# Altium PCB DSO.PcbDoc (part 1 of 2)
Units mil, origin at the board's own origin, x right, y up, seen from the top; angles counter-clockwise.
Board outline 4334 x 3942 mil, 2 copper layers (Top Layer, Bottom Layer), stack 61.855 mil thick; 129 components, 117 nets, 532 pads, 253 vias.
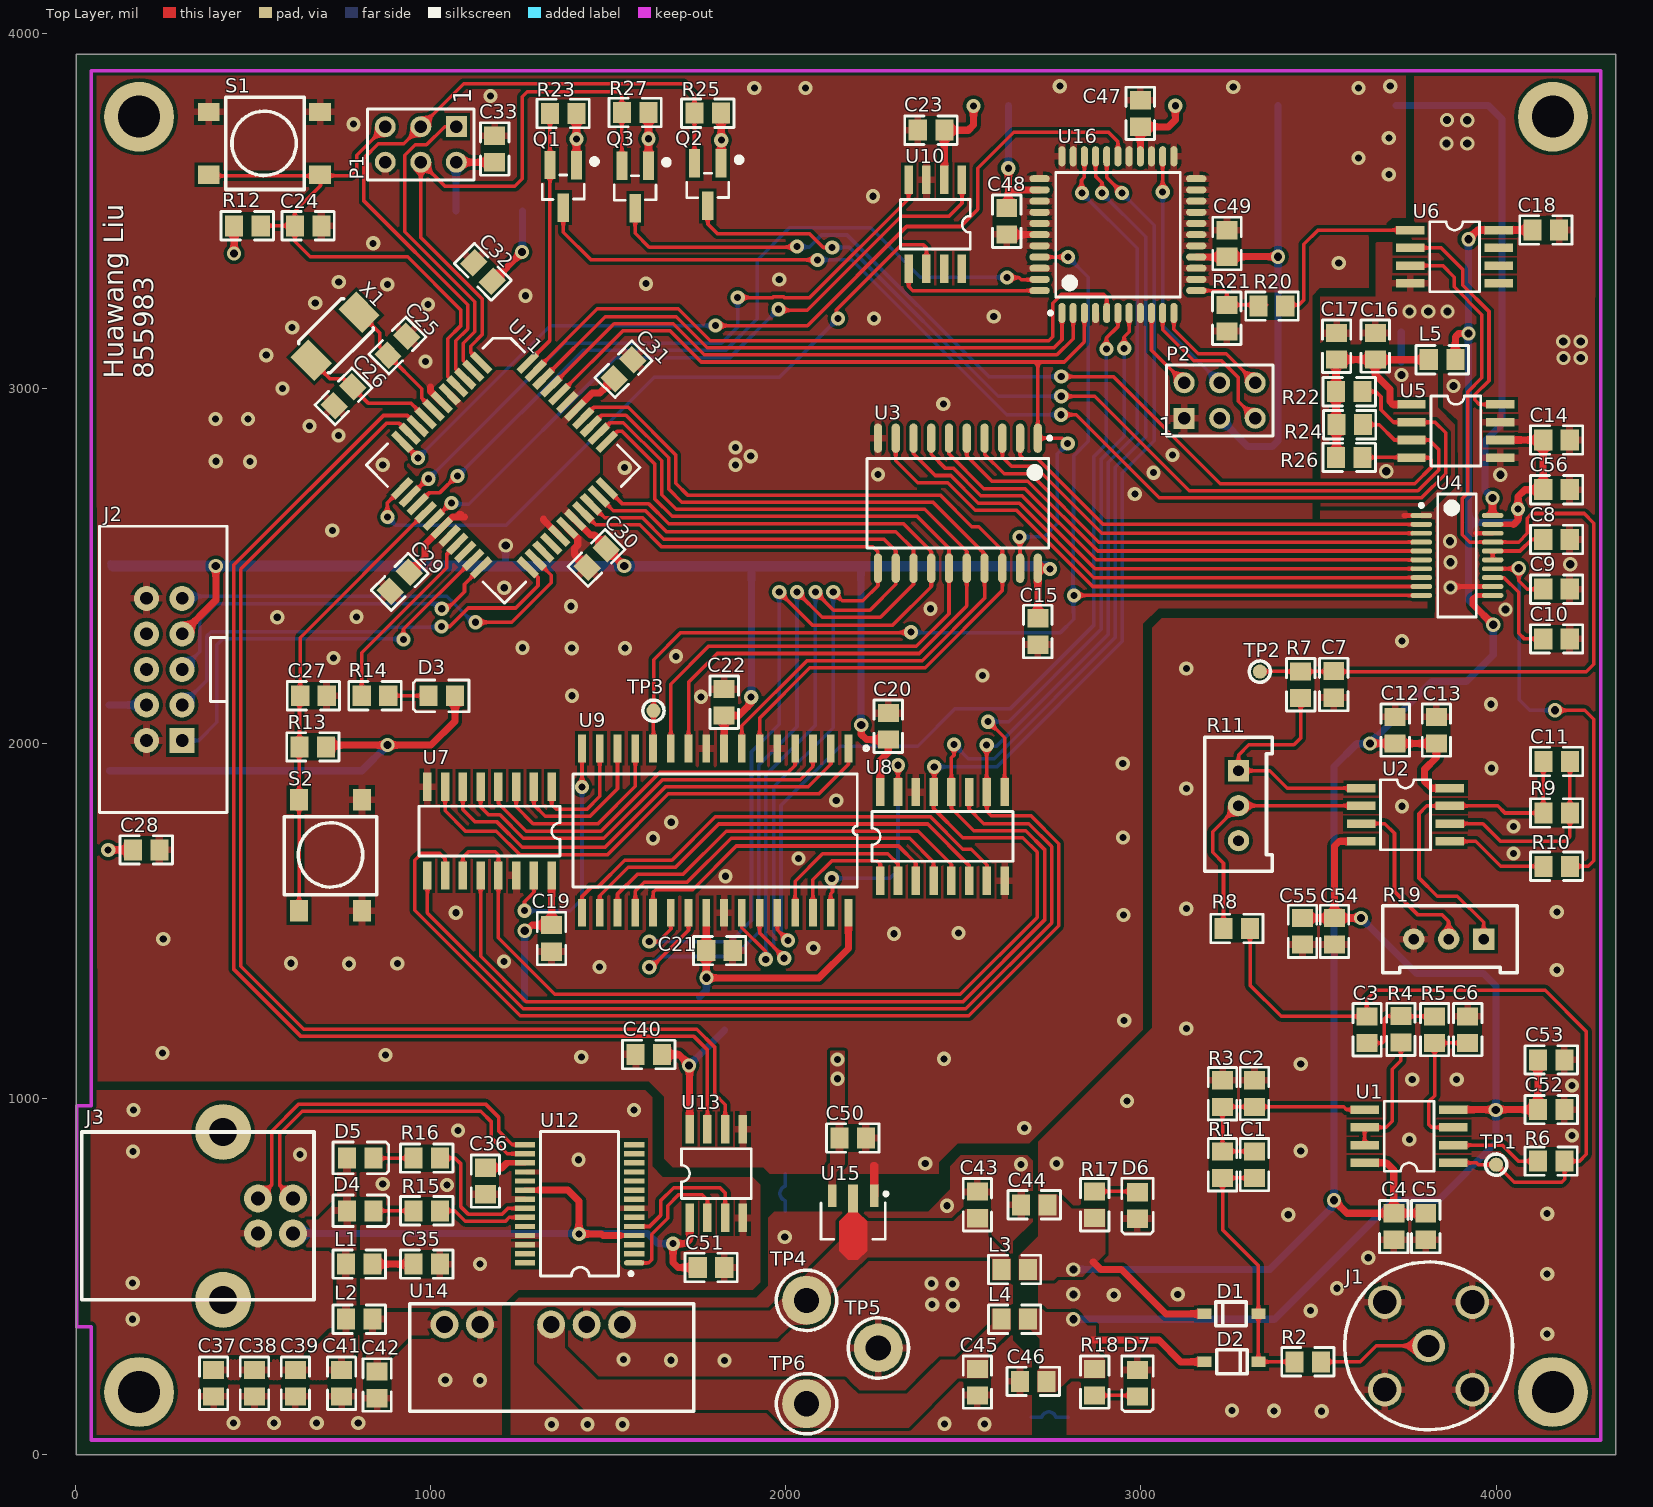
[diagram p0: Top Layer view]
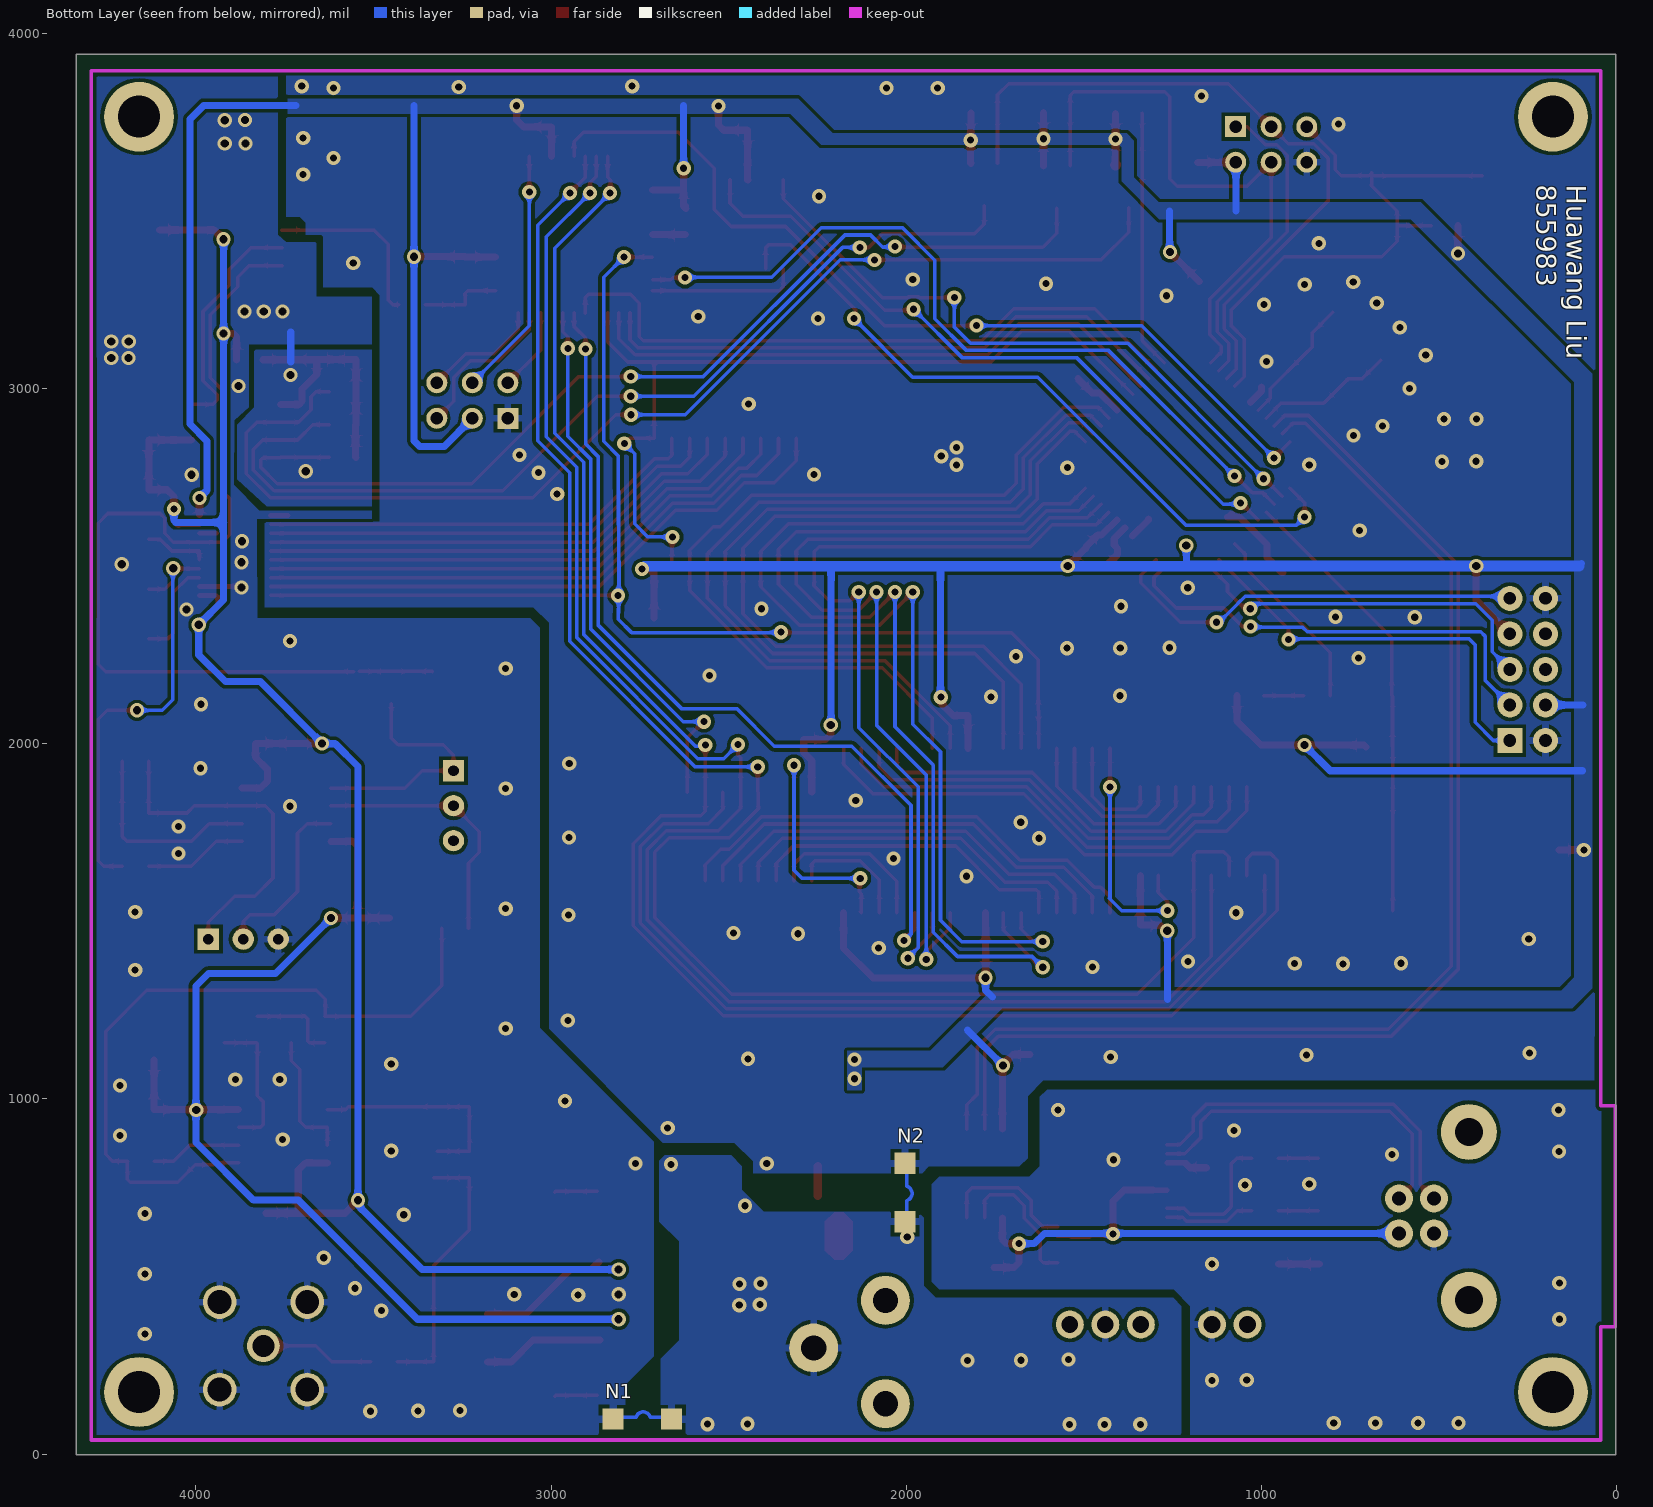
[diagram p1: Bottom Layer view, seen from below]
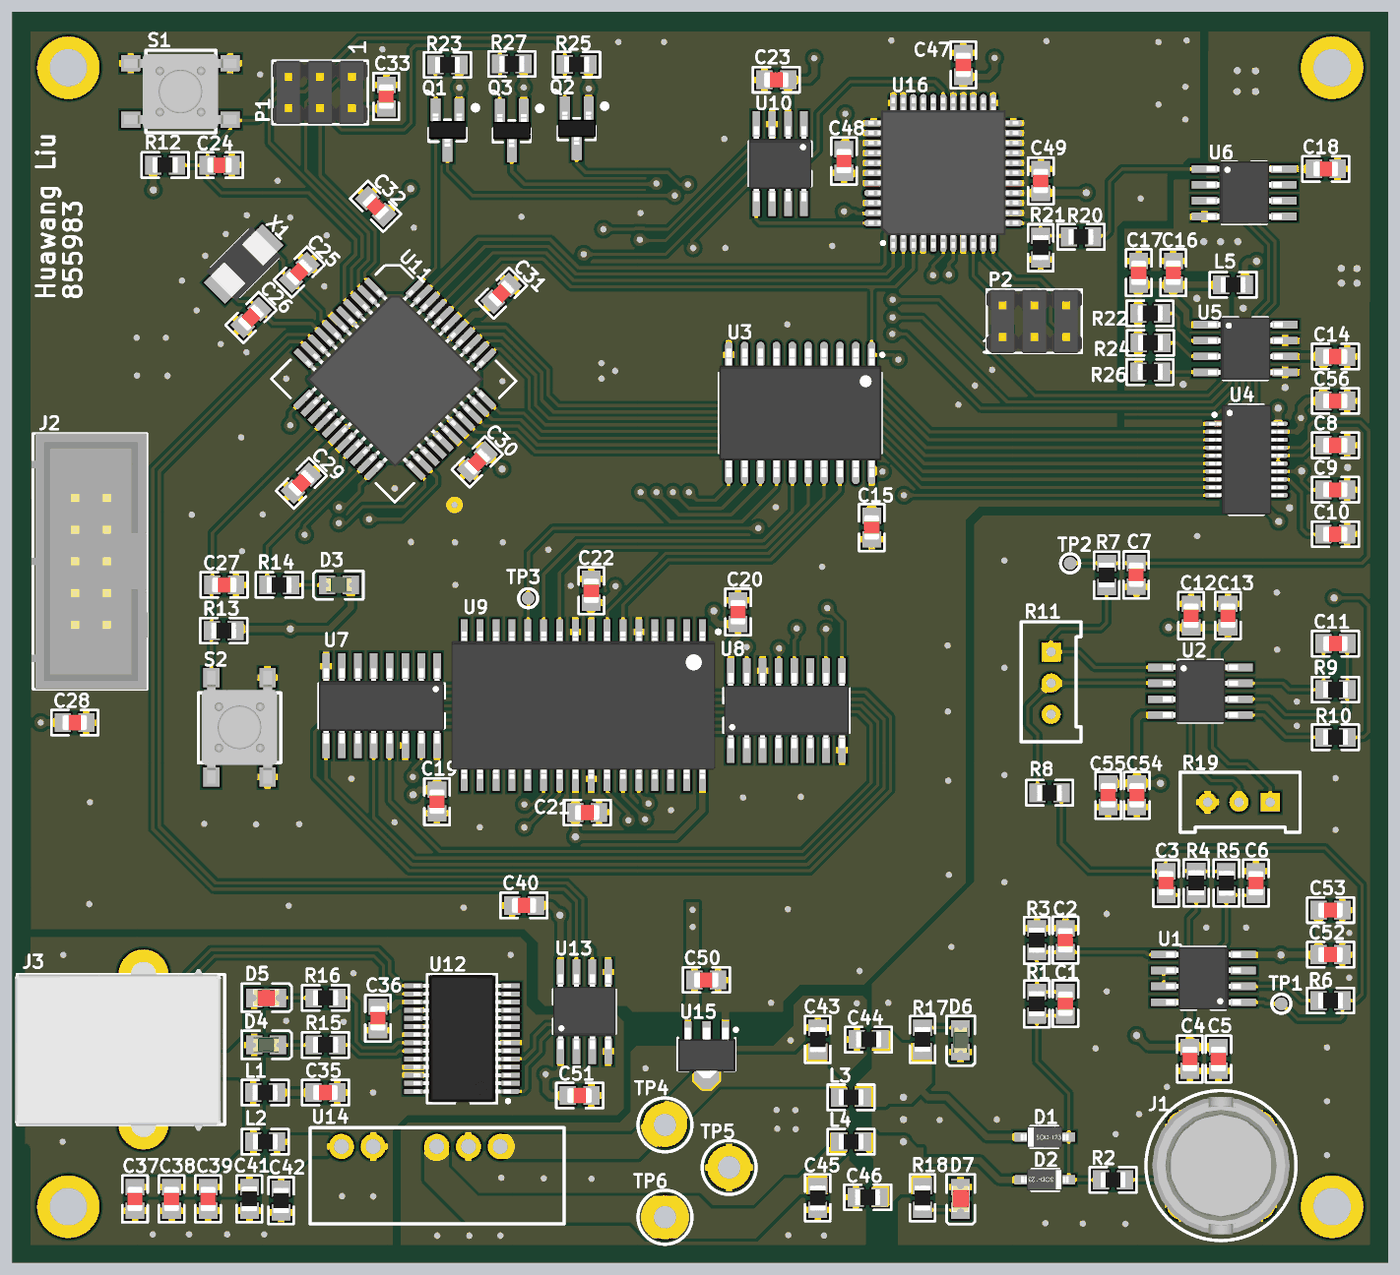
[diagram p3: 3D render of the assembled board from above, using the file's embedded part models]

## Layer stack, top to bottom
Top Solder: solder mask 0.4, Solder Resist, Dk 3.5
Top Layer: signal copper 1.4
Dielectric1: core 59.0551, FR-4, Dk 4.8
Bottom Layer: signal copper 1.4
Bottom Solder: solder mask 0.4, Solder Resist, Dk 3.5

## Board outline
3,-1 3,3941 4337,3941 4337,-1

## Design rules (kind name [scope] priority, off if disabled: settings)
Clearance [All] p1: gap=10 ignorepadtopadclearanceinfootprint=FALSE except(0: Arc-Hole Track-Hole SMDPad-Hole THPad-Hole Via-Hole Fill-Hole Poly-Hole Region-Hole Text-Hole)
ComponentClearance [All] p1 off: gap=10 collisioncheckmode=3 verticalgap=10 showdistances=FALSE
DiffPairsRouting [All] p1: maxlimit=20 minlimit=10 mostfreqgap=10 toplayer_minwidth=15 toplayer_maxwidth=15 toplayer_prefwidth=15 bottomlayer_minwidth=15 bottomlayer_maxwidth=15 bottomlayer_prefwidth=15 maxuncoupledlength=500
FabricationTestPointUsage TestPointUsage [All] p1: valid=0 allowmultiple=FALSE
FabricationTestpoint Testpoint [All] p1: side=3 testpointundercomponent=TRUE minsize=40 maxsize=100 preferedsize=60 minholesize=0 maxholesize=40 preferedholesize=32 testpointgrid=1 allowsidetop=TRUE allowsidebottom=TRUE usegrid=TRUE gridtolerance=0.01
Height [All] p1: minheight=0 maxheight=7874.02 prefheight=500
HoleSize [All] p1: absolutevalues=TRUE maxlimit=199 minlimit=15 maxpercent=80.000 minpercent=20.000
MinimumAnnularRing [All] p1: minimumring=5
PolygonConnect PolygonConnect_2 [(net='AVEE')or(net='AVCC')or(net='5V_P')or(Net='5V_N') or (ObjectKind = 'Via')] p1: connectstyle=Direct reliefconductorwidth=20 reliefentries=4 polygonreliefangle="90 Angle" airgapwidth=20
PolygonConnect [All] p2: connectstyle=Relief reliefconductorwidth=20 reliefentries=4 polygonreliefangle="90 Angle" airgapwidth=10
PolygonConnect PolygonConnect_3 [All vs HasFootprint('SIP_NMG')] p3 off: connectstyle=Relief reliefconductorwidth=20 reliefentries=4 polygonreliefangle="90 Angle" airgapwidth=10
PolygonConnect PolygonConnect_1 [All vs HasFootprint('0805')] p4 off: connectstyle=Relief reliefconductorwidth=20 reliefentries=4 polygonreliefangle="90 Angle" airgapwidth=10
RoutingVias [All] p1: holewidth=20 width=40 viastyle="Through Hole" minholewidth=15 minwidth=15 maxholewidth=80 maxwidth=100
SilkToSolderMaskClearance SilkscreenOverComponentPads [IsPad] p1: minsilkscreentomaskgap=10 clearancetoexposedcopper=TRUE
SolderMaskExpansion [All] p1: expansion=6
Width [InNetClass('POWER')] p1: maxlimit=30 minlimit=10 preferedwidth=20
Width "Normal Width" [All] p2: maxlimit=1000 minlimit=6 preferedwidth=10 minimp=50.000000 maximp=50.000000 favimp=50.000000
23 further rules are at their usual default settings.

## Classes and differential pairs
net class POWER: 3V3 5V_D 5V_N 5V_P AGND AVCC AVEE DGND DVCC GND USBGND USBVCC USBVCCO
net class ADC_D[0..7]: ADC_D0 ADC_D1 ADC_D2 ADC_D3 ADC_D4 ADC_D5 ADC_D6 ADC_D7
net class ADC_A[0..15]: ADC_A0 ADC_A1 ADC_A2 ADC_A3 ADC_A4 ADC_A5 ADC_A6 ADC_A7 ADC_A8 ADC_A9 ADC_A10 ADC_A11 ADC_A12 ADC_A13 ADC_A14 ADC_A15
component class U_DSO_Trig: C16 C17 C18 Q2 Q3 R20 R21 R22 R23 R24 R25 R26 R27 U5 U6
component class U_DSO_CPLD: C47 C48 C49 P2 U16
component class U_DSO_Clock: C23 U10
component class U_DSO_Control: C24 C25 C26 C27 C28 C29 C30 C31 C32 C33 D3 J2 P1 R12 R13 R14 S1 S2 U11 X1
component class U_DSO_Counters: C19 C20 U7 U8
component class U_DSO_Front: C1 C2 C3 C4 C5 C6 C52 C53 D1 D2 J1 R1 R2 R3 R4 R5 R6 TP1 U1
component class U_DSO_IO: C35 C36 C37 C38 C39 C40 C51 D4 D5 J3 L1 R15 R16 U12 U13
component class U_DSO_Power: C41 C42 C43 C44 C45 C46 C50 D6 D7 L2 L3 L4 L5 N1 N2 R17 R18 TP4 TP5 TP6 U14 U15
component class U_DSO_RAM: C21 C22 TP3 U9
component class U_DSO_ADC: C7 C8 C9 C10 C11 C12 C13 C14 C15 C54 C55 C56 R7 R8 R9 R10 R11 R19 TP2 U2 U3 U4
differential pair USBD: +USBD_P -USBD_N

## Components (designator, comment, footprint, x,y, rotation, side; value= is the part's Value field where it differs from the comment)
C1 "10pF" 0805C 3320,815 r90 top
C2 "10pF" 0805C 3320,1015 r90 top
C3 "4.7P" 0805C 3637,1195 r270 top
C4 "100nF" 0805C 3712,641 r270 top
C5 "10uF" 0805C 3802,641 r270 top
C6 "1P" 0805C 3920,1195 r90 top
C7 "100nF" 0805C 3543,2167 r270 top
C8 "100nF" 0805C 4170,2575 r0 top
C9 "100nF" 0805C 4170,2435 r0 top
C10 "100nF" 0805C 4170,2295 r0 top
C11 "100pf" 0805C 4170.5,1950 r180 top
C12 "100nF" 0805C 3716,2038 r90 top
C13 "10uF" 0805C 3832,2038 r90 top
C14 "100nF" 0805C 4170,2855 r0 top
C15 "100nF" 0805C 2710,2316 r270 top
C16 "10uF" 0805C 3660,3119 r90 top
C17 "100nF" 0805C 3551,3118.82 r90 top
C18 "100nF" 0805C 4140,3446 r0 top
C19 "100nF" 0805C 1341,1452 r270 top
C20 "100nF" 0805C 2289,2049 r90 top
C21 "100nF" 0805C 1814,1417.52 r0 top
C22 "100nF" 0805C 1827,2116.56 r90 top
C23 "100nF" 0805C 2409.5,3727 r180 top
C24 "100nF" 0805C 656,3458 r180 top
C25 "18pF" 0805C 907.16,3120.48 r45 top
C26 "18pF" 0805C 755.55,2978 r225 top
C27 "100nF" 0805C 671,2135 r180 top
C28 "100nF" 0805C 200,1701 r0 top
C29 "100nF" 0805C 914,2456 r225 top
C30 "100nF" 0805C 1468,2523 r225 top
C31 "100nF" 0805C 1543.5,3054 r45 top
C32 "100nF" 0805C 1148,3328 r135 top
C33 "100nF" 0805C 1181,3674 r90 top
C35 "100nF" 0805C 989.5,535.04 r0 top
C36 "100nF" 0805C 1155,769 r270 top
C37 "100nF" 0805C 389.8,200 r270 top
C38 "100nF" 0805C 505,200 r270 top
C39 "100nF" 0805C 620,200 r270 top
C40 "100nF" 0805C 1615,1125 r180 top
C41 "10uF" 0805 750,200 r270 top
C42 "100nF" 0805 850,195 r270 top
C43 "10uF" 0805 2540,701.8 r90 top
C44 "100nF" 0805 2700,702 r180 top
C45 "10uF" 0805 2540,202.77 r90 top
C46 "100nF" 0805 2697,205 r0 top
C47 "100nF" 0805C 2998.5,3774 r90 top
C48 "100nF" 0805C 2622.5,3471 r270 top
C49 "100nF" 0805C 3242.5,3408 r90 top
C50 "10uF" 0805C 2189,890 r0 top
C51 "100nF" 0805C 1790,525.67 r0 top
C52 "100nF" 0805C 4155,970 r0 top
C53 "10uF" 0805C 4155,1110 r0 top
C54 "100nF" 0805C 3545,1472.05 r270 top
C55 "10uF" 0805C 3455,1472.05 r270 top
C56 "10uF" 0805C 4170,2715 r0 top
D1 "Diode" SOD-123 3255,395 r0 top
D2 "Diode" SOD-123 3255,260 r180 top
D3 "TX" 0805D-GREEN 1032,2135 r0 top
D4 "TX" 0805D-GREEN 802.77,685 r180 top
D5 "RX" 0805D-RED 802.77,833.5 r180 top
D6 "TX" 0805D-GREEN 2990,700 r90 top
D7 "RX" 0805D-RED 2990,200 r90 top
J1 "INPUT" BNC_VERT 3810,305 r0 top
J2 "JTAG" BOXEDVERT10 301,2009 r90 top
J3 "USB" USBPLUG 672.48,434.57 r90 top
L1 "300mA" 0805 799.5,535.04 r0 top
L2 "300mA" 0805 800,380 r180 top
L3 "300mA" 0805 2645,520 r180 top
L4 "300mA" 0805 2645,380 r180 top
L5 "300mA" 0805 3848,3081 r0 top
N1 "NET-TIE" NET-TIE 2741,99 r0 bottom net-tie
N2 "NET-TIE" NET-TIE 2004,734 r90 bottom net-tie
P1 "Header 3x2" HDR3x2 973,3687 r180 top
P2 "Header 3x2" HDR3x2 3222,2966 r0 top
Q1 "RTR025N03TL" SOT23 1374,3569 r270 top
Q2 "RTR025N03TL" SOT23 1781,3574 r270 top
Q3 "RTR025N03TL" SOT23 1576.5,3567 r270 top
R1 "510K" 0805 3230,815 r270 top
R2 "470" 0805 3470,260 r0 top
R3 "510K" 0805 3230,1015 r270 top
R4 "2.7K" 0805 3732,1196 r270 top
R5 "2.7K" 0805 3827,1195 r90 top
R6 "1K" 0805 4155,825 r180 top
R7 "39" 0805 3450,2166 r270 top
R8 "2K" 0805 3270,1480 r0 top
R9 "1k" 0805 4170.5,1805 r180 top
R10 "510K" 0805 4170.5,1655 r180 top
R11 "DIV_TRIM" RPOT 3275,1924 r270 top
R12 "10k" 0805 485,3458 r180 top
R13 "10k" 0805 669,1991 r0 top
R14 "1K" 0805 844,2135 r0 top
R15 "1k" 0805 990,685 r180 top
R16 "1k" 0805 990,833.5 r180 top
R17 "1K" 0805 2870,702.3 r270 top
R18 "1K" 0805 2870,202.77 r90 top
R19 "DIV_TRIM" RPOT 3965,1450 r180 top
R20 "170" 0805 3369,3232 r0 top
R21 "330" 0805 3242,3198 r270 top
R22 "10K" 0805 3587,2991 r180 top
R23 "10K" 0805 1374,3774 r180 top
R24 "10K" 0805 3588,2898 r180 top
R25 "10K" 0805 1781,3775 r180 top
R26 "10K" 0805 3587,2806 r180 top
R27 "10K" 0805 1576.67,3777 r180 top
S1 "RESET" "SPST PB SWITCH SMD" 533,3690 r180 top
S2 "TRIG" "SPST PB SWITCH SMD" 719,1686 r90 top
TP1 "INPUT" Testpoin 4000,815 r0 top
TP2 "INPUT" Testpoin 3335,2203 r90 top locked
TP3 "INPUT" Testpoin 1628,2093 r0 top
TP4 "+5V" "PIN 1.8mm" 2059,433 r90 top
TP5 "GND" "PIN 1.8mm" 2261,299 r90 top
TP6 "-5V" "PIN 1.8mm" 2059,142 r90 top
U1 "LT1819" SOIC-8 3755,895 r180 top
U2 "LT1819" SOIC-8 3745,1800 r0 top
U3 "74HC541" SOT163-1_N 2485,2677 r270 top
U4 "ADS830E" TI-DBQ20_L 3890,2530 r0 top
U5 "MCP4901" SOIC-8 3887,2880 r0 top
U6 "MAX9032" SOIC-8 3883,3371 r0 top
U7 "74HC590" SOIC-16 1166.52,1754 r270 top
U8 "74HC590" SOIC-16 2441.41,1739 r90 top
U9 "CY7C1019D" TSOP-32 1801.84,1755.68 r270 top
U10 "PT7C4511" SOIC-8 2421.5,3462.33 r270 top
U11 "ATMEGA16" QFP-48 1208.43,2784.36 r315 top
U12 "FT232RL" SSOP-28 1420,705 r180 top
U13 "Si8421" SOIC-8 1805,790 r90 top
U14 "RD0505D" SIP_NMG 1040,365 r90 top
U15 "MCP1700T-3302E/MB" SOT89 2190,653.07 r270 top
U16 "XC9536XL-10VQ44C" VQ44_L 2935.5,3433 r90 top
X1 "10Mhz" XTAL_FLAT_SMD 732.17,3146.98 r225 top

## Footprints (in the part's own frame and the unit in brackets; to place one, negate y for a bottom-side part, rotate by r counter-clockwise, add the part's x,y. Pads: shape width x height; smd on the part's side, far side on the other; paste and mask are expansions set on the pad)
0805 [mm] "0805 Footprint"
  rect 1.3x1.5 smd: 1(-0.95,0) 2(0.95,0)
  silkscreen extent -1.87,-1.02 1.88,1.02, body extent -1,-0.63 1,0.62, height 0.5
0805C [mm] "0805 Footprint"
  rect 1.3x1.5 smd: 1(-0.95,0) 2(0.95,0)
  silkscreen extent -1.87,-1.02 1.88,1.02, body extent -1,-0.62 1,0.63, height 0.78
0805D-GREEN [mm] "0805 Diode"
  rect 1.3x1.5 smd: A(0.95,0) K(-0.95,0)
  silkscreen extent -2.03,-1.14 1.95,1.12, body extent -1.01,-0.62 1.01,0.63, height 1.1
0805D-RED [mm] "0805 Diode RED"
  rect 1.3x1.5 smd: A(0.95,0) K(-0.95,0)
  silkscreen extent -2.03,-1.14 1.95,1.12, body extent -1.05,-0.67 1.05,0.68, height 0.9
BNC_VERT [mil] "BNC vertical connector"
  round 92 hole 62: 1(0,0)
  round 95 hole 67: 2(-123.23,-123.23) 3(123.23,-123.23) 4(123.23,123.23) 5(-123.23,123.23)
  silkscreen extent -236,-236 236,236, body extent -217,-217 217,217, height 539
BOXEDVERT10 [mil] "IDC Header 2.54mm Boxed 10 pins"
  rect 70x70 hole 35.43: 1(0,0)
  round 70 hole 35.43: 2(0,100) 3(100,0) 4(100,100) 5(200,0) 6(200,100) 7(300,0) 8(300,100) 9(400,0) 10(400,100)
  silkscreen extent -203,-127 603,232, body extent -204,-129 604,237, height 359
HDR3x2 [mm] "Connector; Header; 8x2 Position"
  rect 1.5x1.5 hole 0.9: 1(-2.54,-1.27)
  round 1.5 hole 0.9: 2(-2.54,1.27) 3(0,-1.27) 4(0,1.27) 5(2.54,-1.27) 6(2.54,1.27)
  silkscreen extent -3.81,-2.54 3.81,2.54, body extent -3.81,-2.54 3.81,2.54, height 9.5
NET-TIE [mil]
  rect 60x60 smd mask+0: 0(-80,0) 1(85,0)
  Top Layer lines w10: -50,-5 -20,-5 ccw(c0,0.83) 20,-5 55,-5
"PIN 1.8mm" [mm] "Single Pin"
  round 3.5 hole 1.8: 1(0,0)
  silkscreen extent -2.16,-2.16 2.16,2.16
QFP-48 [mm]
  rect 1.8x0.5 smd: 1(-6.35,4) 2(-6.35,3.2) 3(-6.35,2.4) 4(-6.35,1.6) 5(-6.35,0.8) 6(-6.35,0) 7(-6.35,-0.8) 8(-6.35,-1.6) 9(-6.35,-2.4) 10(-6.35,-3.2) 11(-6.35,-4) 23(6.35,-4) 24(6.35,-3.2) 25(6.35,-2.4) 26(6.35,-1.6) 27(6.35,-0.8) 28(6.35,0) 29(6.35,0.8) 30(6.35,1.6) 31(6.35,2.4) 32(6.35,3.2) 33(6.35,4)
  rect 0.5x1.8 smd: 12(-4,-6.35) 13(-3.2,-6.35) 14(-2.4,-6.35) 15(-1.6,-6.35) 16(-0.8,-6.35) 17(0,-6.35) 18(0.8,-6.35) 19(1.6,-6.35) 20(2.4,-6.35) 21(3.2,-6.35) 22(4,-6.35) 34(4,6.35) 35(3.2,6.35) 36(2.4,6.35) 37(1.6,6.35) 38(0.8,6.35) 39(0,6.35) 40(-0.8,6.35) 41(-1.6,6.35) 42(-2.4,6.35) 43(-3.2,6.35) 44(-4,6.35)
  silkscreen extent -6.99,-6.98 6.98,6.73, body extent -5.97,-6 6.03,6, height 1.13
RPOT [mil]
  rect 60x60 hole 30: 1(0,0)
  round 60 hole 30: 2(98.43,0) 3(196.85,0)
  silkscreen extent -94,-94 283,94
SIP_NMG [mm] "SIP for NMG DC to DC"
  round 2 hole 1.2: 1(0,0) 2(0,-2.54) 3(0,-7.62) 4(0,-10.16) 5(0,-12.7)
  silkscreen extent -6.2,-17.82 1.5,2.5, body extent -6.2,-17.8 1.5,2.5, height 10.2
SOD-123 [mm] "SMD diode"
  rect 1x0.75 smd: A(1.925,0) K(-1.925,0)
  silkscreen extent -1.12,-0.85 1.05,0.85, body extent -1.93,-0.86 1.92,0.84, height 1.42
SOIC-8 [mil] "SOIC-8 Footprint"
  rect 80x24 smd: 1(-125,75) 2(-125,25) 3(-125,-25) 4(-125,-75) 5(125,-75) 6(125,-25) 7(125,25) 8(125,75)
  silkscreen extent -70,-98 70,98, body extent -118,-98 118,98, height 69
SOIC-16 [mil] "SOIC-16 Footprint"
  rect 80x24 smd: 1(-125,175) 2(-125,125) 3(-125,75) 4(-125,25) 5(-125,-25) 6(-125,-75) 7(-125,-125) 8(-125,-175) 9(125,-175) 10(125,-125) 11(125,-75) 12(125,-25) 13(125,25) 14(125,75) 15(125,125) 16(125,175)
  silkscreen extent -70,-198 70,198, body extent -118,-197 118,197, height 69
SOT23 [mil] "SOT23, 3-Leads, Body 3.0x2.5mm (max), Pitch 0.95mm, IPC Low Density"
  rect 80.24x31.5 smd: 1(-60,37.4)
  rect 80x31.5 smd: 2(-60,-37.4) 3(60,0)
  silkscreen extent -75,-59 37,93, body extent -52,-59 52,59, height 43
SOT89 [mm] "SOT89, 3-Leads, Body 4.50x2.50mm, Pitch 1.50mm, Lead Span 4.1mm, IPC Low Density"
  rect 1.6x0.6 smd: 1(-1.9,1.5) 3(-1.9,-1.5)
  rect 2x0.7 smd: 2(-1.7,0)
  Top Layer region: -0.7,0.35 -0.05,1 2.05,1 2.7,0.35 2.7,-0.35 2.05,-1 -0.05,-1 -0.7,-0.35
  silkscreen extent -2.15,-2.3 1.22,2.48, body extent -2.2,-2.3 1.85,2.3, height 1.6
SOT163-1_N [mm] "SOIC, 20-Leads, Body 12.7x7.5mm, Pitch 1.27mm, IPC Medium Density"
  oval 2.1x0.6 smd: 1(-4.65,5.715) 2(-4.65,4.445) 3(-4.65,3.175) 4(-4.65,1.905) 5(-4.65,0.635) 6(-4.65,-0.635) 7(-4.65,-1.905) 8(-4.65,-3.175) 9(-4.65,-4.445) 10(-4.65,-5.715) 11(4.65,-5.715) 12(4.65,-4.445) 13(4.65,-3.175) 14(4.65,-1.905) 15(4.65,-0.635) 16(4.65,0.635) 17(4.65,1.905) 18(4.65,3.175) 19(4.65,4.445) 20(4.65,5.715)
  silkscreen extent -4.77,-6.5 3.2,6.69, body extent -5.15,-6.5 5.15,6.5, height 2.65
"SPST PB SWITCH SMD" [mm] "Push Button Switch Surface Mount"
  rect 1.55x1.3 smd: 1(-3.975,2.25) 1(3.975,2.25) 2(-3.975,-2.25) 2(3.975,-2.25)
  silkscreen extent -2.83,-3.3 2.76,3.3, body extent -4.5,-3 4.5,3, height 5
SSOP-28 [mm] "Line Driver"
  oval 1.45x0.38 smd: 1(-3.9,4.225)
  rect 1.45x0.38 smd: 2(-3.9,3.575) 3(-3.9,2.925) 4(-3.9,2.275) 5(-3.9,1.625) 6(-3.9,0.975) 7(-3.9,0.325) 8(-3.9,-0.325) 9(-3.9,-0.975) 10(-3.9,-1.625) 11(-3.9,-2.275) 12(-3.9,-2.925) 13(-3.9,-3.575) 14(-3.9,-4.225) 15(3.9,-4.225) 16(3.9,-3.575) 17(3.9,-2.925) 18(3.9,-2.275) 19(3.9,-1.625) 20(3.9,-0.975) 21(3.9,-0.325) 22(3.9,0.325) 23(3.9,0.975) 24(3.9,1.625) 25(3.9,2.275) 26(3.9,2.925) 27(3.9,3.575) 28(3.9,4.225)
  silkscreen extent -3.8,-5.18 2.79,5.18, body extent -3.9,-5.1 3.9,5.1, height 2
Testpoin [mil] "Testpoint"
  round 40 smd: 1(0,0)
  silkscreen extent -30,-30 30,30
TI-DBQ20_L [mm] "SOP, 20-Leads, Body 8.65x3.9mm, Pitch 0.635mm, IPC High Density"
  oval 1.55x0.35 smd: 1(-2.55,2.857) 2(-2.55,2.222) 3(-2.55,1.587) 4(-2.55,0.953) 5(-2.55,0.318) 6(-2.55,-0.318) 7(-2.55,-0.953) 8(-2.55,-1.587) 9(-2.55,-2.222) 10(-2.55,-2.857) 11(2.55,-2.857) 12(2.55,-2.223) 13(2.55,-1.587) 14(2.55,-0.953) 15(2.55,-0.318) 16(2.55,0.318) 17(2.55,0.953) 18(2.55,1.587) 19(2.55,2.222) 20(2.55,2.857)
  silkscreen extent -2.67,-4.4 1.38,4.4, body extent -3,-4.4 3,4.4, height 1.75
TSOP-32 [mm]
  rect 2x0.55 smd: 1(-5.88,9.525) 2(-5.88,8.255) 3(-5.88,6.985) 4(-5.88,5.715) 5(-5.88,4.445) 6(-5.88,3.175) 7(-5.88,1.905) 8(-5.88,0.635) 9(-5.88,-0.635) 10(-5.88,-1.905) 11(-5.88,-3.175) 12(-5.88,-4.445) 13(-5.88,-5.715) 14(-5.88,-6.985) 15(-5.88,-8.255) 16(-5.88,-9.525) 17(5.88,-9.525) 18(5.88,-8.255) 19(5.88,-6.985) 20(5.88,-5.715) 21(5.88,-4.445) 22(5.88,-3.175) 23(5.88,-1.905) 24(5.88,-0.635) 25(5.88,0.635) 26(5.88,1.905) 27(5.88,3.175) 28(5.88,4.445) 29(5.88,5.715) 30(5.88,6.985) 31(5.88,8.255) 32(5.88,9.525)
  silkscreen extent -6.03,-10.16 4.05,10.94, body extent -5.88,-10.55 5.88,10.55, height 1.2
USBPLUG [mm]
  round 2 hole 1: 1(4.75,1.5) 2(7.25,1.5) 3(7.25,4) 4(4.75,4)
  round 4 hole 2: ""(0,6.5) ""(12,6.5)
  silkscreen extent 0,0 12,16.6, body extent -1.52,0.29 13.45,16.79, height 11.06
VQ44_L [mm] "Thin QFP, 44-Leads, Body 10x10mm, Pitch 0.8mm, IPC High Density"
  oval 1.45x0.5 smd: 1(-5.6,4) 2(-5.6,3.2) 3(-5.6,2.4) 4(-5.6,1.6) 5(-5.6,0.8) 6(-5.6,0) 7(-5.6,-0.8) 8(-5.6,-1.6) 9(-5.6,-2.4) 10(-5.6,-3.2) 11(-5.6,-4) 23(5.6,-4) 24(5.6,-3.2) 25(5.6,-2.4) 26(5.6,-1.6) 27(5.6,-0.8) 28(5.6,0) 29(5.6,0.8) 30(5.6,1.6) 31(5.6,2.4) 32(5.6,3.2) 33(5.6,4)
  oval 0.5x1.45 smd: 12(-4,-5.6) 13(-3.2,-5.6) 14(-2.4,-5.6) 15(-1.6,-5.6) 16(-0.8,-5.6) 17(0,-5.6) 18(0.8,-5.6) 19(1.6,-5.6) 20(2.4,-5.6) 21(3.2,-5.6) 22(4,-5.6) 34(4,5.6) 35(3.2,5.6) 36(2.4,5.6) 37(1.6,5.6) 38(0.8,5.6) 39(0,5.6) 40(-0.8,5.6) 41(-1.6,5.6) 42(-2.4,5.6) 43(-3.2,5.6) 44(-4,5.6)
  silkscreen extent -5.72,-4.45 4.45,4.95, body extent -5.97,-6 6.03,6, height 1.13
XTAL_FLAT_SMD [mm]
  rect 1.8x2.4 smd: 1(-2.412,0) 2(2.412,0)
  silkscreen extent -2.33,-1.59 2.21,1.6, body extent -2.58,-1.68 2.58,1.68, height 1.35

## Part data
C1 C2 C3 C4 C5 C6 C7 C8 C9 C10 C11 C12 C13 C14 C15 C16 C17 C18 C19 C20 C21 C22 C23 C24 C25 C26 C27 C28 C29 C30 C31 C32 C33 C35 C36 C37 C38 C39 C40 C41 C42 C43 C44 C45 C46 C47 C48 C49 C50 C51 C52 C53 C54 C55 C56: library part C, "Capacitor"
D1 D2: library part D
D3 D4 D6: library part "LED GREEN", "Light Emitting Diode"
D5 D7: library part "LED RED", "Light Emitting Diode"
J1: library part BNC, "BNC Straight"
J2: library part JTAG_CON, "JTAG_CON"
J3: library part USBPLUG, "USB B Type Connector"
L1 L2 L3 L4 L5: library part I, "Inductor"
P1 P2: "Header, 5-Pin"
Q1 Q2 Q3: library part MOSFET-N, "N-Channel MOSFET"
R1 R2 R3 R4 R5 R6 R7 R8 R9 R10 R12 R13 R14 R15 R16 R17 R18 R20 R21 R22 R23 R24 R25 R26 R27: library part R, "Resistor"
R11 R19: library part RV, "Variable Resistor"
S1 S2: library part SW_PB_1P1T4, "Momentary Push Button Switch 1P 1T 2pins"
TP1 TP2 TP3: library part "Test Point", "Pad"
TP4 TP5 TP6: library part WIRE, "Pad"
U1 U2: "OpAmp High Frequency Dual"
U3: "(ADV) Octal Buffer, Line Driver"
U4: "8-Bit, 60 MSPS ADC Single-Ended / Differential Input, Internal / External Reference and Programmble Input Range, -40 to 85 degC, 20-pin SOP (DBQ20), Green (RoHS & no Sb/Br)"
U5: "DAC 8bit SPI"
U6: "Dual Comparator"
U7 U8: "8-Bit Binary Counter Register"
U9: "SRAM 128k x 8"
U10: "PLL Clock Multiplier"
U11: "ATMEGA16 Microcontroller"
U12: "USB to Serial bridge"
U13: "Dual Channel Digital Isolator Both Ways"
U14: "(ADV) DC to DC converter 5V in +-5V out"
U15: library part MCP1700T, "Low Quiescent Current LDO, 3-Pin SOT-89, Extended Temperature, Tape and Reel"
U16: library part XC9536XL-10VQG44C, "FastFLASH XC900XL, 3.3V High-Performance 36 Macrocell CPLD, 34 User I/Os, 44-Pin VQFP, Speed Grade 10, Commercial Grade"
X1: library part XTAL, "Crystal Oscillator"

## Free pads (board coordinates)
  round 196.85 hole 118.11: ""(180,175) ""(180,3765) ""(4160,175) ""(4160,3765)

## Via types
v1: diameter 40, hole 20, Top Layer to Bottom Layer, tented both sides, 208 vias
v2: diameter 40, hole 23, Top Layer to Bottom Layer, tented both sides, 44 vias
v3: diameter 40, hole 20, Top Layer to Bottom Layer, tented bottom, 1 vias

## Nets (pads, with @x,y where several pads share a name; then routed paths per layer and width w, separated by ;. In a path a pad name is that pad's centre, name@x,y a point inside that pad or via, vN(x,y) a via of type N, cw(c..) or ccw(c..) an arc to the next point about the centre after c; other vN are vias at no path point)
3V3: C36.1 U12.17 | length 116.3
  Top Layer w14.9: 1213.6,820.16 U12.17@1266.46,820.16
  Top Layer w20: C36.1@1155,806.4 1202,806.4 1213.6,818
5V_D: C16.1 C17.1 L5.1 R22.2 R24.2 R26.2 U5.1 | length 734.8
  Top Layer w20: R26.2@3549.6,2806 3550.6,2807 R24.2@3550.6,2898 ; R24.2@3549.6,2898 R22.2@3549.6,2991 C17.1@3549.6,3081.42 ; C17.1@3551,3081.42 3659.82,3081.42 3659.82,3039.18 3701,2998 3701,2963 3709,2955 U5.1@3762,2955 ; C16.1@3660.24,3081 L5.1@3810.6,3081
5V_N: C45.2 L4.2 TP6.1 U14.3
5V_P: C43.1 L3.2 TP4.1 U14.5 U15.2
ADC_A0: U7.15 U9.16 | length 714.6
  Top Layer w10: v1(1265,1530) 1265,1555 1291.52,1581.52 U7.15@1291.52,1629 ; v1(1426.84,1878) U9.16@1426.84,1987.18 U9.16@1429,1985.02
  Bottom Layer w10: v1(1265,1530) 1394,1530 1429,1565 1426.84,1567.16 v1(1426.84,1878)
ADC_A1: U7.1 U9.15 | length 341.2
  Top Layer w10: U7.1@1341.52,1879 1341.52,1828.48 1354,1816 1441,1816 1476.84,1851.84 U9.15@1476.84,1987.18
ADC_A2: U7.2 U9.14 | length 445.6
  Top Layer w10: U7.2@1291.52,1879 1291.52,1827.48 1323,1796 1449.28,1796 1526.84,1873.55 U9.14@1526.84,1987.18
ADC_A3: U7.3 U9.13 | length 562.2
  Top Layer w10: U7.3@1241.52,1879 1241.52,1822.48 1289,1775 1471.84,1775 1576.84,1880 U9.13@1576.84,1987.18
ADC_A4: U7.4 U9.4 | length 1038.7
  Top Layer w10: U7.4@1191.52,1879 1191.52,1832.48 1270,1754 1480.22,1754 1645.22,1919 2006,1919 2026.84,1939.84 U9.4@2026.84,1987.18
ADC_A5: U7.5 U9.3 | length 1164.4
  Top Layer w10: U7.5@1141.52,1879 1141.52,1821.78 1163.46,1799.83 1195.88,1799.83 1261.72,1734 1488.51,1734 1653.51,1899 2041,1899 2076.84,1934.84 U9.3@2076.84,1987.18
ADC_A6: U7.6 U9.2 | length 1285.1
  Top Layer w10: U7.6@1091.52,1879 1091.52,1815 1126.69,1779.83 1187.6,1779.83 1258.43,1709 1491.79,1709 1661.79,1879 2064,1879 2127,1942 2127,1987.02 U9.2@2126.84,1987.18
ADC_A7: U7.7 U9.1 | length 1404.5
  Top Layer w10: U7.7@1041.52,1879 1041.52,1811.4 1098.92,1754 1185.15,1754 1251.15,1688 1499.08,1688 1670.08,1859 2094,1859 2176.84,1941.84 U9.1@2176.84,1987.18
ADC_A8: U8.15 U9.31 | length 671
  Top Layer w10: U9.31@2130,1527.35 U9.31@2126.84,1524.19 2126.84,1577.84 2132,1583 2132,1619 v1(2130,1621) ; U8.15@2316.41,1864 v1(2316.41,1939.25)
  Bottom Layer w10: v1(2130,1621) 2294,1621 2316.41,1643.41 v1(2316.41,1939.25)
ADC_A9: U8.1 U9.30 | length 355.8
  Top Layer w10: U9.30@2076.84,1524.19 2076.84,1617.34 2129.5,1670 2258.4,1670 2266.41,1661.99 U8.1@2266.41,1614
ADC_A10: U8.2 U9.29 | length 469.5
  Top Layer w10: U9.29@2026.84,1524.19 2026.84,1612.84 2104,1690 2288,1690 2316.41,1661.59 U8.2@2316.41,1614
ADC_A11: U8.3 U9.21 | length 920.8
  Top Layer w10: U9.21@1626.84,1524.19 1626.84,1581.84 1634,1589 1738.46,1589 1861.46,1712 2318,1712 2366.41,1663.59 U8.3@2366.41,1614
ADC_A12: U8.4 U9.20 | length 1042.8
  Top Layer w10: U9.20@1576.84,1524.19 1576.84,1585.24 1601.6,1610 1722.57,1610 1846.57,1734 2349,1734 2416.41,1666.59 U8.4@2416.41,1614
ADC_A13: U8.5 U9.19 | length 1150.9
  Top Layer w10: U9.19@1526.84,1524.19 1526.84,1576.84 1582,1632 1710.74,1632 1832.74,1754 2373,1754 2466.41,1660.59 U8.5@2466.41,1614
ADC_A14: U8.6 U9.18 | length 1262.6
  Top Layer w10: U9.18@1476.84,1524.19 1476.84,1571.84 1557,1652 1690.17,1652 1812.17,1774 2399.72,1774 2516.41,1657.31 U8.6@2516.41,1614
ADC_A15: U8.7 U9.17 | length 1379.1
  Top Layer w10: U9.17@1426.84,1524.19 1426.84,1569.84 1452.38,1595.38 1470.38,1595.38 1547,1672 1680,1672 1802,1794 2408,1794 2499,1703 2522.53,1703 2566.41,1659.12 U8.7@2566.41,1614
ADC_CLK: TP3.1 U4.10 U9.12 U16.41 | length 3602.7
  Top Layer w10: U9.12@1628,1988.34 TP3.1@1628,2093 1628.84,2093.84 1628.84,2236.84 1705,2313 v1@2353,2313 ; U16.41@2715.03,3370.01 v1(2794.99,3370.01) ; v1(2811.5,2417.5) U4.10@3789.61,2417.5
  Bottom Layer w10: v1@2353,2313 2773.74,2313 2811,2350.26 v1@2809,2413.87 ; v1(2794.99,3370.01) 2852,3313 2852,2851 2811,2810 2809.02,2417.51 v1@2809,2413.87 ; v1(2811.5,2417.5) 2812.63,2417.5 v1@2809,2413.87
  other v1: 2353,2314
ADC_D0: U3.18 U9.6 U11.37 | length 2437
  Top Layer w10: U11.37@1429.75,2916.59 1460.16,2947 1556.85,2947 1691,2812.85 1691,2733 1724,2700 2435,2700 2524,2611 2544,2611 2610,2545 U3.18@2610,2493.93 2610,2431.32 2392.68,2214 2068.28,2214 1926.84,2072.55 U9.6@1926.84,1987.18
ADC_D1: U3.17 U9.7 U11.36 | length 2354.4
  Top Layer w10: U11.36@1452.02,2894.32 1482.7,2925 1550.57,2925 1671,2804.57 1671,2717 1708,2680 2415,2680 2560,2535 U3.17@2560,2493.93 2560,2409.6 2384.4,2234 2060,2234 1876.84,2050.84 U9.7@1876.84,1987.18
ADC_D2: U3.16 U9.10 U11.35 | length 2466.7
  Top Layer w10: U11.35@1474.29,2872.05 1506.24,2904 1543.28,2904 1651,2796.28 1651,2701 1692,2660 2392,2660 2510,2542 U3.16@2510,2493.93 2510,2387.88 2376.12,2254 1808,2254 1726.84,2172.84 U9.10@1726.84,1987.18
ADC_D3: U3.15 U9.11 U11.34 | length 2399
  Top Layer w10: U11.34@1496.56,2849.78 1525.79,2879 1540,2879 1631,2788 1631,2690 1681,2640 2370,2640 2460,2550 U3.15@2460,2493.93 2460,2366.17 2367.83,2274 1783,2274 1676.84,2167.84 U9.11@1676.84,1987.18
ADC_D4: U3.14 U9.22 U11.33 | length 2988.2
  Top Layer w10: U11.33@1496.56,2718.93 1539.5,2676 1613.85,2676 1670.85,2619 2332,2619 2410,2541 U3.14@2410,2493.93 2410,2442 2302,2334 2075,2334 v1(1982,2427) ; v1(1616,1443) 1642,1443 1676.84,1477.84 U9.22@1676.84,1524.19
  Bottom Layer w10: v1(1616,1443) 1844,1443 1904,1503 1904,1977 1982,2055 v1(1982,2427)
ADC_D5: U3.13 U9.23 U11.32 | length 2996.7
  Top Layer w10: U11.32@1474.29,2696.66 1514.96,2656 1605.57,2656 1664.57,2597 2310,2597 2360,2547 U3.13@2360,2493.93 2360,2449 2267,2356 2103,2356 v1(2032,2427) ; v1@1617.93,1365.68 1726.84,1474.59 U9.23@1726.84,1524.19
  Bottom Layer w10: v1(1616,1370.74) 1646.26,1401 1856,1401 1924,1469 1924,1940 2032,2048 v1(2032,2427)
ADC_D6: U3.12 U9.26 U11.31 | length 2535
  Top Layer w10: U11.31@1452.02,2674.39 1490.41,2636 1597.28,2636 1657.28,2576 2277,2576 2310,2543 U3.12@2310,2493.93 2310,2448.6 2237.4,2376 2135,2376 v1(2084,2427) ; U9.26@1876.84,1524.19 1876.84,1482.16 1944,1415 v1(1944,1393)
  Bottom Layer w10: v1(1944,1393) 1944,1912 2084,2052 v1(2084,2427)
ADC_D7: U3.11 U9.27 U11.30 | length 2394.9
  Top Layer w10: U11.30@1429.75,2652.12 1465.87,2616 1589,2616 1650.45,2554.55 2245.45,2554.55 2260,2540 U3.11@2260,2493.93 2260,2445 2217,2402 2159,2402 v1(2134,2427) ; U9.27@1926.84,1524.19 1926.84,1467.16 1996,1398 v1(1996,1396)
  Bottom Layer w10: v1(1996,1396) 1996,1397 1967,1426 1967,1878.42 2134,2045.42 v1(2134,2427)
ADCVOUT: U5.8 U6.2 | length 665.9
  Top Layer w10: U6.2@3757,3396 U6.2@3758,3396 3845,3396 3906,3335 3906,3290.77 3980,3216.77 3980,3022 3940,2982 3940,2968 3953,2955 U5.8@4012,2955
AGND: C2.2 C4.2 C5.2 C6.2 C7.2 C8.2 C9.2 C10.2 C12.2 C13.2 C14.2 C16.2 C17.2 C18.2 C52.2 C53.2 C54.2 C55.2 C56.2 D6.K D7.A J1.2 J1.3 J1.4 J1.5 N1.1 R3.1 R19.3 U4.1 U4.12 U4.18 U5.5 U5.7 U6.4 | length 302.5
  Top Layer w13.78: 3740.5,2642.5 U4.1@3789.61,2642.5 ; v2@3873.92,2442.5 U4.12@3990.39,2442.5 ; 3942.41,2592.5 U4.18@3990.39,2592.5
  Top Layer w20: v2(3871.42,2440) v2@3873.92,2442.5
  Bottom Layer w20: 3733,3075 3733,3159 ; v2@4239.42,3086 v2@4240.42,3085
  other v1: 3509,121 3375,122 3257,123 4143.85,338 3478,404 2924,448.47 3104,450 3552,467 4143.85,507.5 3640,553 3415,674 4143.85,677 2762.21,818 3450,854 3755.72,886 4214,897 2961,994 4214,1038 3763.92,1055 3889,1055 3450,1098 3128,1198.19 4171,1363 4171,1526 3128,1535.7 4049,1691 4049,1767 3735,1824 3128,1874 3987,1931 3986,2111 3128,2212 3735,2289
  other v2: 2810,450 4026.23,2378 4209,2505 3871.42,2511 3870.42,2570 4012,2757 3691,2767 3880,3007 3734,3038 4189.42,3086 4238.42,3086 4238.42,3132 4189,3132.58 3756,3216.77 3809,3216.77 3863,3217 3860.63,3690 3919,3690 3918.84,3755 3861.42,3756
AVCC: C4.1 C5.1 C12.1 C13.1 C14.1 C18.1 C44.1 C56.1 D1.K L3.1 L5.2 R17.2 U1.8 U2.8 U4.11 U4.19 U5.6 U6.8 | length 6178.6
  Top Layer w13.78: 3935,2407 3945.5,2417.5 U4.11@3990.39,2417.5 ; U4.19@3990.39,2617.5 4049.5,2617.5
  Top Layer w20: 2866,541 2887,520 2946,520 3071,395 D1.K@3179.21,395 ; v2(3544,715) 3544,714.8 3580.4,678.4 C4.1@3712,678.4 ; U1.8@3630,820 3692,820 3712,800 C4.1@3712,678.4 ; v2(3645,2001) 3715.6,2001 C12.1@3716,2000.6 C13.1@3832,2000.6 3832,1961 3799,1928 3799,1894 3818,1875 U2.8@3870,1875 ; C5.1@3802,678.4 C4.1@3712,678.4 ; L5.2@3885.4,3081 3885.4,3145.4 3895,3155 v2(3922,3155) ; v2(3922,3420) 3948,3446 U6.8@4008,3446 C18.1@4102.6,3446 ; 3935,2407 3935,2392 v2(3992,2335) ; U5.6@4012,2855 C14.1@4132.6,2855 ; 4049.5,2617.5 4062,2630 v1(4062,2661) 4062,2696 4081,2715 C56.1@4132.6,2715 C14.1@4132.6,2855 ; C14.1@4131,2856.6 C14.1@4132.6,2855
  Bottom Layer w20: v2(2810,520) 3363,520 3544,701 v2(3544,715) 3544,1936 3608,2000 v2@3647,2000 ; v2(3645,2001) 3819,2175 3917,2175 3992,2250 v2(3992,2335) 3922,2405 3922,2623 ; v2(3922,3420) v2(3922,3155) 3922,2623 ; v1(4062,2661) 4062,2628 4057,2623 3922,2623
AVEE: C46.2 C52.1 C53.1 C54.1 C55.1 D2.A L4.1 R18.2 U1.4 U2.4 | length 3464.2
  Top Layer w20: 2862,321 3050.78,321 3111.78,260 D2.A@3179.21,260 ; C55.1@3455,1509.45 C54.1@3545,1509.45 ; v2(3619.5,1509.5) 3545.05,1509.5 C54.1@3545,1509.45 ; U2.4@3620,1725 3558,1725 3545,1712 C54.1@3545,1509.45 ; U1.4@3880,970 C52.1@4117.6,970 C53.1@4117.6,1110
  Bottom Layer w20: v2(2810,380) 3376,380 3711,715 3838,715 4000,877 4000,1318 3965,1353 3776,1353 v2(3619.5,1509.5)
  other v2: 3999,969
BIT1: U3.2 U4.2 | length 1258.2
  Top Layer w10: U3.2@2660,2860.07 2660,2812 2670,2802 2709,2802 2893.5,2617.5 U4.2@3789.61,2617.5
BIT2: U3.3 U4.3 | length 1321.5
  Top Layer w10: U3.3@2610,2860.07 2610,2807 2636,2781 2701,2781 2889.5,2592.5 U4.3@3789.61,2592.5
BIT3: U3.4 U4.4 | length 1377.2
  Top Layer w10: U3.4@2560,2860.07 2560,2815 2615,2760 2689.28,2760 2881.78,2567.5 U4.4@3789.61,2567.5
BIT4: U3.5 U4.5 | length 1440.5
  Top Layer w10: U3.5@2510,2860.07 2510,2810 2581,2739 2682,2739 2878.5,2542.5 U4.5@3789.61,2542.5
BIT5: U3.6 U4.6 | length 1497.3
  Top Layer w10: U3.6@2460,2860.07 2460,2816 2558,2718 2673.89,2718 2874.39,2517.5 U4.6@3789.61,2517.5
BIT6: U3.7 U4.7 | length 1558.6
  Top Layer w10: U3.7@2410,2860.07 2410,2814.5 2448.5,2776 2471.68,2776 2549.68,2698 2665.61,2698 2871.11,2492.5 U4.7@3789.61,2492.5
BIT7: U3.8 U4.8 | length 1618
  Top Layer w10: U3.8@2360,2860.07 2360,2816 2421,2755 2464.39,2755 2542.39,2677 2658.32,2677 2867.82,2467.5 U4.8@3789.61,2467.5
BIT8: U3.9 U4.9 | length 1689.5
  Top Layer w10: U3.9@2310,2860.07 2310,2797 2372,2735 2456.11,2735 2534.11,2657 2650.04,2657 2864.54,2442.5 U4.9@3789.61,2442.5
BUF2FILTER: R4.2 U1.6 U1.7 | length 366.6
  Top Layer w10: U1.7@3630,870 U1.6@3630,920 3691,920 3708,937 3708,1084 3732,1108 R4.2@3732,1158.6
CH1_BUF: C3.1 R6.1 R8.2 TP1.1 U1.1 | length 2056.7
  Top Layer w10: R8.2@3307.4,1480 3307.4,1320 3395,1232.4 C3.1@3637,1232.4 3636,1233.4 3636,1281 3661,1306 4138,1306 4254,1190 4254,844 4235,825 R6.1@4192.4,825 4193,824.4 4193,774 4185,766 4051,766 4002,815 TP1.1@4000,815 3950,815 3945,820 U1.1@3880,820
CH1_NORM: C7.1 R7.1 TP2.1 U4.17 U6.3 | length 2697.2
  Top Layer w10: TP2.1@3335,2203 3335.4,2203.4 R7.1@3450,2203.4 C7.1@3540,2203.4 ; C7.1@3555.6,2203 4254,2203 4275,2224 4275,2621 4248,2648 4101,2648 4088,2635 4088,2592 4063.5,2567.5 U4.17@3990.39,2567.5 3926.08,2567.5 3905,2588.58 3905,2690.36 3920,2705.36 3920,2990.28 3960,3030.28 3960,3208 3882,3286 3882,3313.5 3849.5,3346 U6.3@3758,3346 U6.3@3757,3346
CLAP2DIV: C1.1 D1.A D2.K R1.2 R2.1 | length 761.2
  Top Layer w10: C1.1@3330,777.6 C1.1@3320,777.6 R1.2@3230,777.6 3230,632 3330.79,531.21 D1.A@3330.79,395 D2.K@3330.79,260 R2.1@3432.6,260